# Altium PCB GameBoard_V1I1_Phase1.PcbDoc (part 3 of 18)
Units mm, origin at the board's own origin, x right, y up, seen from the top; angles counter-clockwise.
Board outline 182 x 70.2 mm, 12 copper layers (L1, L2, L3, L4, L5 (PWR), L6 (PWR), L7 (PWR), L8 (PWR), L9, L10, L11, L12), stack 2.079 mm thick; 1542 components, 1068 nets, 5447 pads, 3805 vias.
Unrouted connection lines stored in the file: 2.
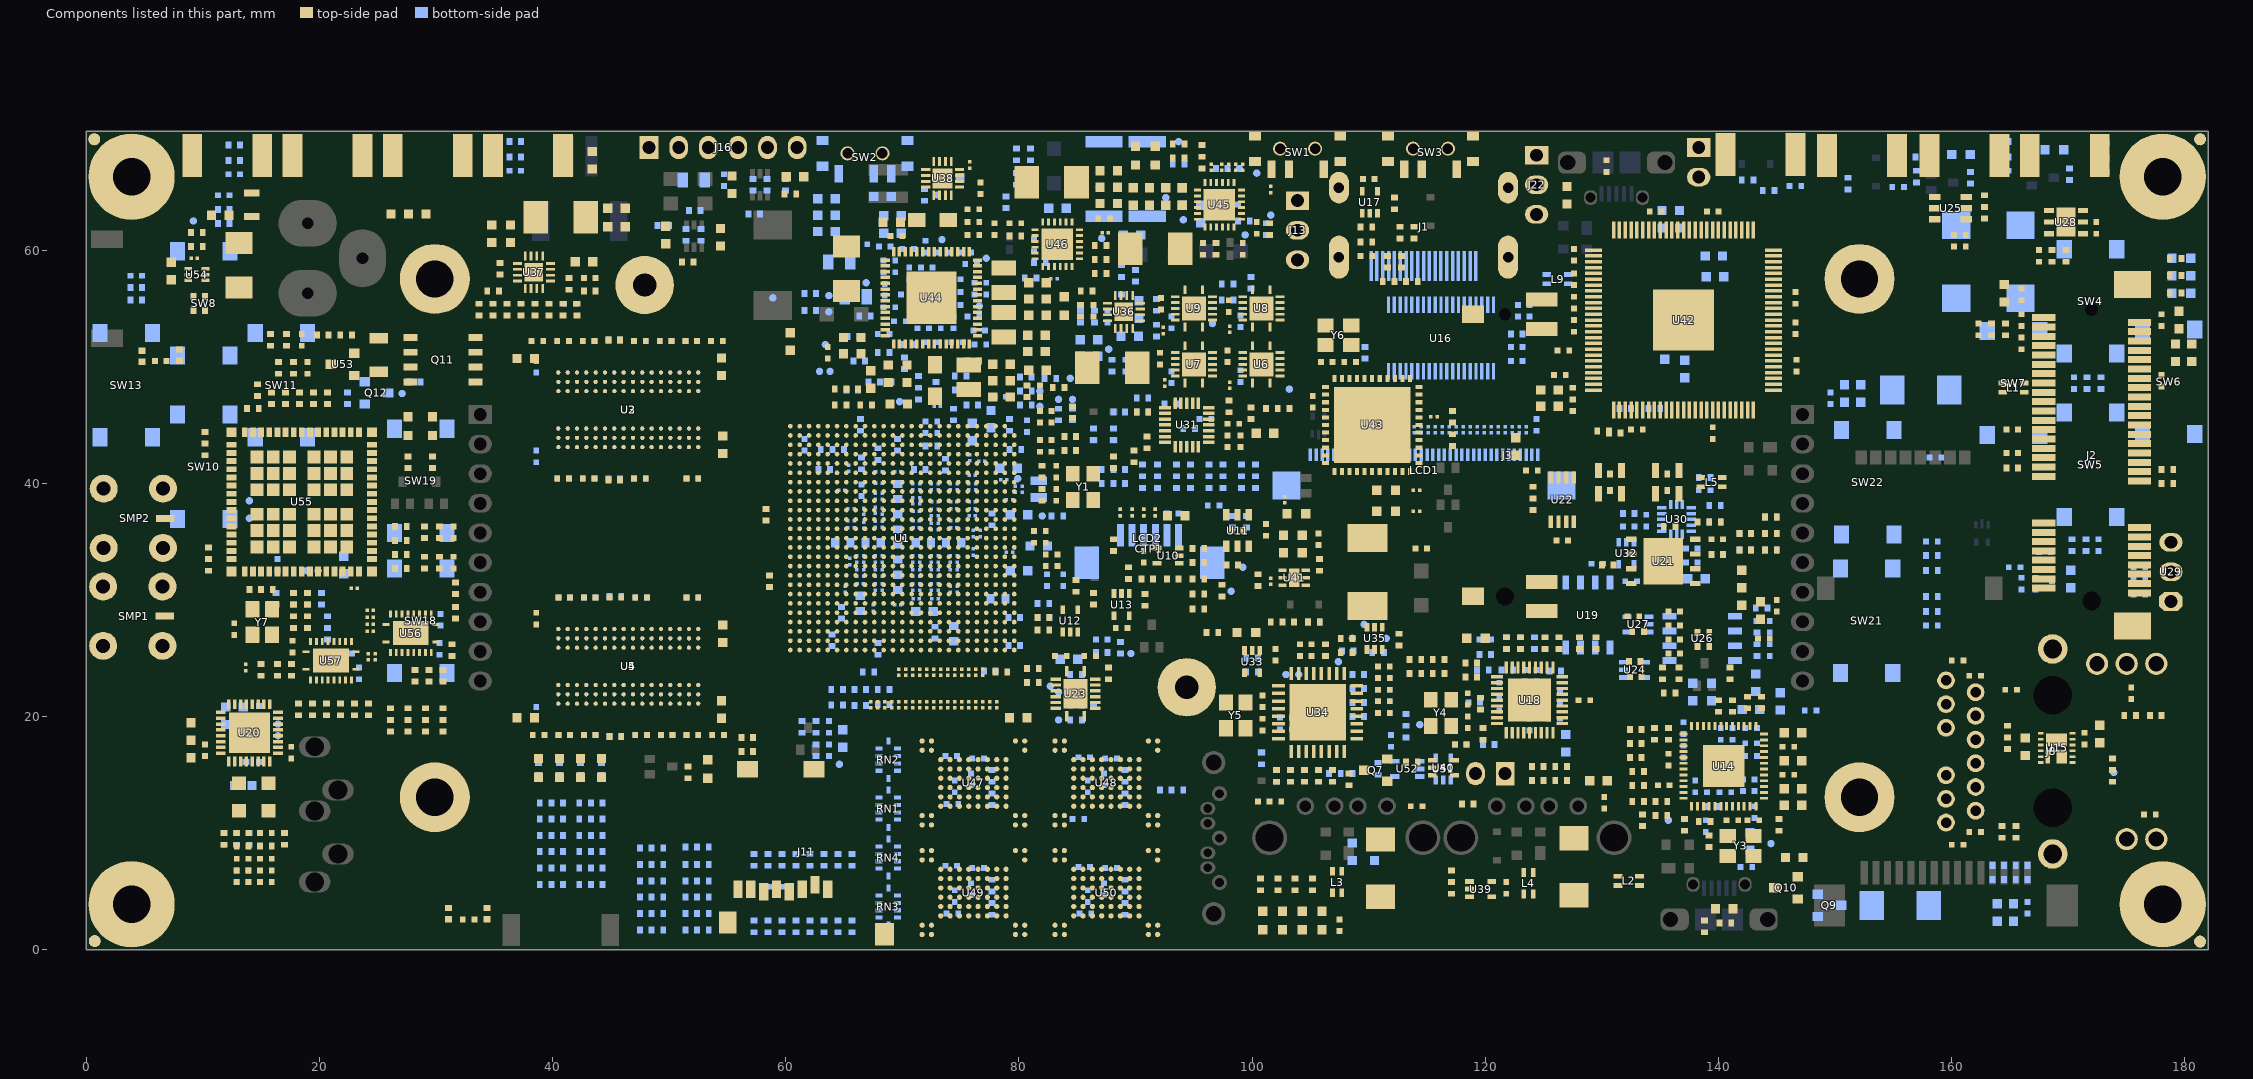
[diagram p13: the components of this part, seen from the top]

## Components (designator, comment, footprint, x,y, rotation, side; value= is the part's Value field where it differs from the comment) (continued)
R110 "0R" R0402 95.4,30.5 r180 top
R111 "22R" R0402 83.4,45.9 r90 bottom
R112 "0R" R0402 86.4,30.1 r270 top
R113 "0R" R0402 65.7,48 r0 bottom
R114 "0R" R0402 73.7,41.6 r90 bottom
R115 "0R" R0402 87.1,25.475 r0 bottom
R116 "0R" R0402 88.7,25.9 r270 bottom
R117 "0R" R0402 173.8,15.9 r270 top
R118 "0R" R0402 173.8,14.9 r270 top
R119 "0R" R0402 164.8,17.7 r90 top
R120 "220R" R0402 142.5,21.2 r90 top
R121 "220R" R0402 141.2,20.9 r90 top
R122 "0R" R0402 164.8,18.7 r270 top
R123 "22R" R0402 139.2,9.3 r270 top
R124 "22R" R0402 133.1,15.3 r0 top
R125 "12k1" R0402 145.2,10.7 r270 top
R126 "22R" R0402 135.1,12.7 r0 top
R127 "22R" R0402 135.1,11.5 r0 top
R128 "4k99" R0402 133.1,12.7 r180 top
R129 "1k" R0402 133.5,11.1 r270 top
R130 "4k99" R0402 137.1,10.7 r270 top
R131 "10k" R0402 139.4,12.3 r180 bottom
R132 "10k" R0402 132.9,16.5 r180 top
R133 "10k" R0402 140,20.9 r90 top
R134 "10k" R0402 135.7,18.5 r90 top
R135 "10k" R0402 134.5,18.5 r90 top
R136 "10k" R0402 132.9,18.9 r180 top
R137 "10k" R0402 132.9,17.7 r180 top
R138 "1k" R0402 138.8,11 r0 top
R139 "1k" R0402 133.1,14.1 r0 top
R140 "1k" R0402 143.7,21.2 r270 top
R141 "0R" R0402 122.7,52.8 r0 bottom
R142 "0R" R0402 112.7,61.5 r90 top
R143 "0R" R0402 112.8,59 r270 top
R144 "0R" R0402 111.6,59 r270 top
R145 "15k" R0402 109.8,60.7 r0 top
R146 "4k99" R0402 111.7,57.3 r180 top
R147 "4k99" R0402 113.7,57.3 r0 top
R148 "27k" R0402 113.9,61.5 r270 top
R149 "47k" R0402 109.8,62 r180 top
R150 "0R" R0402 112.2,64 r90 top
R151 "10k" R0402 176.1,30.5 r180 bottom
R152 "0R" R0402 178.5,40 r180 top
R153 "0R" R0402 178.5,41.2 r180 top
R154 "330R" R0402 179.2,56.3 r180 top
R155 "330R" R0402 179.2,57.8 r180 top
R156 "330R" R0402 179.2,59.3 r180 top
R157 "0R" R0402 124.5,14.5 r180 top
R158 "0R" R0402 135.1,40.8 r0 top
R159 "0R" R0402 136.1,40.8 r0 top
R160 "0R" R0402 125.5,14.5 r0 top
R161 "0R" R0805_SMALL 135.6,41.1 r0 top
R162 "0R" R0402 126.5,14.5 r180 top
R163 "0R" R0805_SMALL 135.6,39.1 r180 top
R164 "0R" R0402 124.5,15.7 r180 top
R165 "0R" R0402 135.1,39.4 r0 top
R166 "0R" R0402 136.1,39.4 r0 top
R167 "0R" R0402 125.5,15.7 r0 top
R168 "0R" R0402 126.5,15.7 r180 top
R169 "0R" R0402 116,23.7 r0 top
R170 "0R" R0402 115,23.7 r180 top
R171 "0R" R0402 114,23.7 r0 top
R172 "0R" R0402 116,24.9 r0 top
R173 "10k" R0402 138.8,2 r270 top
R174 "0R" R0402 115,24.9 r180 top
R175 "0R" R0402 114,24.9 r0 top
R176 "10k" R0402 140.6,2.3 r180 top
R177 "0R" R0402 131.2,40.8 r180 top
R178 "0R" R0402 130.2,40.8 r180 top
R179 "0R" R0805_SMALL 130.7,41.1 r180 top
R180 "0R" R0805_SMALL 130.7,39.1 r0 top
R181 "0R" R0402 131.2,39.4 r180 top
R182 "0R" R0402 130.2,39.4 r180 top
R183 "100k" R0402 120,25.3 r0 bottom
R184 "0R" R0402 119.8,24 r180 bottom
R185 "100k" R0402 121.9,24 r0 bottom
R186 "10k" R0402 126.3,26.3 r270 top
R187 "100k" R0402 124.2,26.3 r90 bottom
R188 "10k" R0402 125.1,26.3 r270 top
R189 "0R" R0402 121.8,26.3 r90 bottom
R190 "1k" R0402 118.8,24.6 r0 top
R191 "100k" R0402 121.8,26.3 r270 top
R192 "100k" R0402 123,26.3 r270 top
R193 "12k" R0402 119.8,18.5 r270 top
R194 "100k" R0402 118.8,23.4 r0 top
R195 "100k" R0402 126,23.9 r180 bottom
R196 "1M" R0402 119.6,21.1 r270 top
R197 "10k" R0402 129.5,26.3 r90 top
R198 "10k" R0402 128.1,26.3 r90 top
R199 "0R" R0402 175.3,20.1 r0 top
R200 "0R" R0402 177.5,20.1 r180 top
R201 "0R" R0402 13.7,16.6 r90 bottom
R202 "15k" R0402 13.423,8.904 r0 top
R203 "15k" R0402 15.423,8.904 r180 top
R204 "33R" R0402 11.823,9.504 r90 top
R205 "33R" R0402 17.023,9.504 r90 top
R206 "2k2" R0402 12.9,9.5 r270 bottom
R207 "10k" R0402 56.7,17 r180 top
R208 "0R" R0402 71.4,47.7 r90 bottom
R209 "240R" R0402 51.6,15.2 r90 top
R210 "10k" R0402 81.2,22.9 r180 top
R211 "10k" R0402 81.2,24.1 r180 top
R212 "10k" R0402 139.9,33.9 r180 top
R213 "10k" R0402 130.5,33 r180 top
R214 "10k" R0402 124.1,38.2 r270 top
R215 "10k" R0402 124.1,39.2 r90 top
R216 "0R" R0402 84.9,23.6 r180 bottom
R217 "0R" R0402 84.9,22.3 r180 bottom
R218 "0R" R0402 84.9,21 r0 bottom
R219 "0R" R0402 84.9,19.7 r180 bottom
R220 "22R" R0402 29.1,20.2 r270 top
R221 "0R" R0402 43.8,5.6 r180 bottom
R222 "0R" R0402 144.5,35.7 r0 bottom
R223 "0R" R0402 144.5,35.7 r0 top
R224 "0R" R0402 144.5,34.3 r0 bottom
R225 "0R" R0402 144.5,34.3 r0 top
R226 "100k" R0402 108.1,25.5 r0 top
R227 "100k" R0402 113.2,19.7 r270 bottom
R228 "100k" R0402 108.196,25.6 r180 bottom
R229 "0R" R0402 42.8,5.6 r0 bottom
R230 "0R" R0402 43.8,8.4 r180 bottom
R231 "3k3" R0402 57.3,63.1 r0 bottom
R232 "3k3" R0402 60,65.6 r270 bottom
R233 "3k3" R0402 60.4,64.8 r0 top
R234 "0R" R0402 57.2,65.6 r90 bottom
R235 "0R" R0402 58.4,65.6 r270 bottom
R236 "3k3" R0402 52.2,63.4 r180 bottom
R237 "3k3" R0402 51.6,59 r0 top
R238 "3k3" R0402 49.5,62.1 r180 bottom
R239 "0R" R0402 52.75,61.3 r270 bottom
R240 "0R" R0402 51.45,61.3 r90 bottom
R241 "60R4" R0402 143.3,25.7 r90 bottom
R242 "0R" R0402 132.817,24.7 r0 top
R243 "0R" R0402 162.8,63.2 r90 top
R244 "0R" R0402 143.7,29.3 r0 bottom
R245 "0R" R0402 162.8,64.2 r270 top
R246 "60R4" R0402 143.3,27.7 r90 bottom
R247 "240R" R0402 176.1,31.7 r180 bottom
R248 "10k" R0402 135.2,23.7 r270 top
R249 "0R" R0402 138.7,26 r0 top
R250 "0R" R0402 133.1,27.3 r0 top
R251 "0R" R0402 138.7,27.2 r0 top
R252 "0R" R0402 136.6,23.7 r90 top
R253 "10k" R0402 141,23.7 r90 top
R254 "10k" R0402 93,46.8 r180 bottom
R255 "0R" R0402 139.7,38.1 r0 bottom
R256 "0R" R0402 90.6,47.3 r180 bottom
R257 "0R" R0402 139.7,36.7 r0 bottom
R258 "0R" R0402 90.6,46.1 r180 top
R259 "0R" R0402 135.8,36.3 r180 top locked
R260 "0R" R0402 99.9,46 r90 top
R261 "10k" R0402 139.7,36.7 r0 top
R262 "0R" R0402 138.7,36.7 r180 top
R263 "10k" R0402 138.8,40.5 r180 bottom
R264 "10k" R0402 98,46.6 r270 top
R265 "10k" R0402 134.5,33.2 r180 bottom
R266 "10k" R0402 94.6,44.7 r180 bottom
R267 "0R" R0402 132.3,37.4 r180 bottom
R268 "0R" R0402 91,43.5 r90 top
R269 "10k" R0402 100,23.8 r0 bottom
R270 "240R" R0402 96.6,27.2 r180 top
R271 "0R" R0402 100,25 r0 bottom
R272 "24k" R0402 110.8,15.5 r90 bottom
R273 "0R" R0402 93.6,13.7 r180 bottom
R274 "1k5" R0402 108.3,14.6 r270 top
R275 "33R" R0402 105.7,14.9 r270 top
R276 "33R" R0402 106.9,14.9 r270 top
R277 "4k99" R0402 103.3,14.9 r270 top
R278 "4k99" R0402 142.3,35.7 r180 top
R279 "4k99" R0402 142.3,34.3 r180 top
R280 "0R" R0402 104.5,14.9 r270 top
R281 "0R" R0402 106.3,25.7 r90 top
R282 "0R" R0402 102.1,14.9 r270 top
R283 "4k99" R0402 102.1,14.9 r90 bottom
R284 "3k" R0402 108.1,15.1 r0 bottom
R285 "0R" R0402 107.1,15.1 r180 bottom
R286 "0R" R0402 100.8,16.4 r270 bottom
R287 "0R" R0402 103.1,28.1 r0 top
R288 "0R" R0402 102.1,28.1 r180 top
R289 "0R" R0402 110.8,25.5 r0 bottom
R290 "100k" R0402 109.1,20 r0 bottom
R291 "100k" R0402 109.1,21.2 r0 bottom
R292 "100k" R0402 109.1,22.4 r0 bottom
R293 "100k" R0402 109.1,23.6 r0 bottom
R294 "0R" R0402 88.8,58.204 r90 bottom
R295 "10k" R0402 91.8,53.1 r270 bottom
R296 "82k" R0402 86.5,54.3 r270 bottom
R297 "150k" R0402 90,57.8 r270 bottom
R298 "100k" R0402 91.8,55.3 r270 bottom
R299 "0R" R0402 89.2,50.1 r270 bottom
R300 "63k4" R0402 85.3,54.3 r90 bottom
R301 "0R" R0402 88,50.1 r270 bottom
R302 "0R" R0402 88.8,55.7 r90 bottom
R303 "0R" R0402 85.8,56.5 r0 top
R304 "100k" R0402 85.3,54.8 r270 top
R305 "0R" R0402 37.3,54.9 r270 top
R306 "10k" R0402 33.7,54.9 r270 top
R307 "390k" R0402 43.2,56.5 r0 top
R308 "150k" R0402 38.5,54.9 r90 top
R309 "100k" R0402 34.9,56.5 r180 top
R310 "47k" R0402 34.9,54.9 r90 top
R311 "86k6" R0402 41.4,57.1 r270 top
R312 "0R" R0402 36.1,54.9 r270 top
R313 "10k" R0402 35.5,58.4 r270 top
R314 "0R" R0402 39.7,54.9 r90 top
R315 "0R" R0402 40.9,54.9 r90 top
R316 "100k" R0402 42.1,54.9 r90 top
R317 "100k" R0402 71.9,64.725 r270 bottom
R318 "100k" R0402 118.5,12.5 r180 top
R319 "100k" R0402 113.7,16.1 r180 top
R320 "11k8" R0402 22.3,52.7 r0 top
R321 "1k, 1206, 0.5W" R1206 25.1,51 r90 top
R322 "0R" R0402 117.1,6.3 r90 top
R323 "10k" R0402 22.4,47.3 r270 bottom
R324 "10k5" R0402 20.3,52.7 r0 top
R325 "0R" R0402 117.1,5.3 r270 top
R326 "10k" R0402 120.3,17.6 r0 bottom
R327 "47k" R0402 105.8,33 r90 top
R328 "3.3" R0402 100.5,31.7 r90 top
R329 "0R" R0402 105.3,28.1 r180 bottom
R330 "0R" R0402 105.3,28.1 r0 top
R331 "33" R0201 113.9,44.6 r270 bottom
R332 "33" R0201 113.3,44.6 r270 bottom
R333 "33" R0201 112.7,44.6 r270 bottom
R334 "33" R0201 112.1,44.6 r270 bottom
R335 "33" R0201 111.5,44.6 r270 bottom
R336 "33" R0201 110.9,44.6 r270 bottom
R337 "33" R0201 110.3,44.6 r270 bottom
R338 "33" R0201 109.7,44.6 r270 bottom
R339 "33" R0201 118.7,44.6 r270 bottom
R340 "33" R0201 118.1,44.6 r270 bottom
R341 "33" R0201 117.5,44.6 r270 bottom
R342 "0R" R0402 130.1,44.5 r0 top
R343 "33" R0201 116.9,44.6 r270 bottom
R344 "33" R0201 116.3,44.6 r270 bottom
R345 "0R" R0402 131.1,44.3 r180 top
R346 "33" R0201 115.7,44.6 r270 bottom
R347 "33" R0201 115.1,44.6 r270 bottom
R348 "0R" R0402 134.5,46.4 r0 bottom
R349 "33" R0201 114.5,44.6 r270 bottom
R350 "0R" R0402 127.5,47.7 r270 top
R351 "0R" R0402 127.5,46.7 r90 top
R352 "33" R0201 123.5,44.6 r270 bottom
R353 "1k" R0201 102.8,38.6 r270 top
R354 "33" R0201 122.9,44.6 r270 bottom
R355 "33" R0201 122.3,44.6 r270 bottom
R356 "33" R0201 121.7,44.6 r270 bottom
R357 "33" R0201 121.1,44.6 r270 bottom
R358 "33" R0201 120.5,44.6 r270 bottom
R359 "33" R0201 119.9,44.6 r270 bottom
R360 "33" R0201 119.3,44.6 r270 bottom
R361 "33" R0201 107.3,44.335 r270 bottom
R362 "33" R0201 109.1,44.335 r270 bottom
R363 "33" R0201 108.5,44.335 r270 bottom
R364 "33" R0201 107.9,44.335 r270 bottom
R365 "47k" R0201 89.7,37.5 r90 top
R366 "1k" R0201 90.7,37.5 r90 top
R367 "1k" R0201 91.7,37.5 r90 top
R368 "10k" R0201 115.6,45.7 r0 top
R369 "33" R0201 91.7,37.5 r270 bottom
R370 "33" R0201 90.7,37.5 r270 bottom
R371 "33" R0201 89.7,37.5 r270 bottom
R372 "33" R0201 88.7,37.5 r270 bottom
R373 "100k" R0201 88.7,37.5 r270 top
R374 "1k" R0201 114.1,39.4 r180 top
R375 "1k" R0201 114.1,37.6 r180 top
R376 "10k" R0402 169.8,59.5 r270 top
R377 "10k" R0402 170.3,34.7 r270 bottom
R378 "10k" R0402 172.8,48.6 r90 bottom
R379 "10k" R0402 164.6,53.2 r90 top
R380 "33R" R0402 168.6,59.5 r90 top
R381 "33R" R0402 171.5,34.7 r90 bottom
R382 "1k5" R0402 105.2,5.6 r90 top
R383 "33R" R0402 171.6,48.6 r270 bottom
R384 "1k5" R0402 103.7,5.6 r90 top
R385 "1k5" R0402 102.2,5.6 r90 top
R386 "1k5" R0402 100.7,5.6 r90 top
R387 "1k5" R0402 38.8,15.5 r90 bottom
R388 "33R" R0402 163.4,53.2 r270 top
R389 "1k5" R0402 40.6,15.5 r90 bottom
R390 "1k5" R0402 42.4,15.5 r90 bottom
R391 "1k5" R0402 44.2,15.5 r90 bottom
R392 "10k" R0402 11.8,62.3 r180 bottom
R393 "10k" R0402 15.8,52.3 r90 top
R394 "10k" R0402 16.5,49.9 r270 top
R395 "10k" R0402 4.3,55.7 r180 bottom
R396 "10k" R0402 36.8,69.3 r180 bottom
R397 "33R" R0402 36.8,68 r0 bottom
R398 "33R" R0402 11.8,63.5 r0 bottom
R399 "10k" R0402 32.3,69.2 r180 bottom
R400 "33R" R0402 17.2,52.3 r270 top
R401 "33R" R0402 32.3,67.9 r0 bottom
R402 "33R" R0402 17.8,49.9 r90 top
R403 "33R" R0402 4.3,56.8 r0 bottom
R404 "10k" R0402 172.8,69.2 r0 bottom
R405 "10k" R0402 164.4,69.3 r0 bottom
R406 "10k" R0402 12.7,69 r180 bottom
R407 "10k" R0402 26.3,69.2 r0 bottom
R408 "33R" R0402 172.8,67.9 r180 bottom
R409 "33R" R0402 12.7,67.7 r0 bottom
R410 "240R" R0402 170.1,66.5 r270 bottom
R411 "33R" R0402 164.4,68 r180 bottom
R412 "33R" R0402 26.3,67.9 r180 bottom
R413 "240R" R0402 161.6,66.2 r270 bottom
R414 "10k" R0402 29,33.2 r270 top
R415 "10k" R0402 29,35.8 r90 top
R416 "10k" R0402 156.4,68 r0 bottom
R417 "10k" R0402 157,66.3 r270 bottom
R418 "10k" R0402 151.1,65.7 r90 bottom
R419 "33R" R0402 30.3,33.2 r90 top
R420 "33R" R0402 154.8,67.5 r90 bottom
R421 "33R" R0402 30.3,35.8 r270 top
R422 "10k" R0402 158.3,30.3 r0 bottom
R423 "10k" R0402 158.3,32.5 r0 bottom
R424 "33R" R0402 158.3,29 r180 bottom
R425 "10k" R0402 146.6,69.3 r180 bottom
R426 "100k" R0402 146.6,68 r180 bottom
R427 "33R" R0402 146.6,66.7 r0 bottom
R428 "33R" R0402 158.3,33.8 r180 bottom
R429 "0R" R0402 144.3,65.1 r180 bottom
R430 "0R" R0402 61.4,19.1 r90 bottom
R431 "0R" R0402 76.1,50.5 r180 bottom
R432 "100k" R0402 66.8,54.35 r0 bottom
R433 "100k" R0402 142.5,66 r0 bottom
R434 "100k" R0402 72.9,49.2 r270 bottom
R435 "47k" R0402 66.3,50.5 r180 bottom
R436 "47k" R0402 70.2,50.3 r90 bottom
R437 "10k" R0402 70.4,51.9 r0 bottom
R438 "10k" R0402 65.8,52.6 r0 bottom
R439 "0R" R0402 68.4,51.2 r180 bottom
R440 "47k" R0402 88.6,46.1 r0 bottom
R441 "0R" R0402 62.111,56.272 r0 bottom
R442 "0R" R0402 62.1,54.8 r0 bottom
R443 "0R" R0402 90.6,40.1 r90 bottom
R444 "0R" R0402 90.6,41.1 r270 bottom
R445 "0R" R0402 91.9,40.1 r90 bottom
R446 "0R" R0402 91.9,41.1 r270 bottom
R447 "0R" R0402 94.7,40.1 r90 bottom
R448 "0R" R0402 94.7,41.1 r270 bottom
R449 "0R" R0402 93.5,40.1 r90 bottom
R450 "0R" R0402 93.5,41.1 r270 bottom
R451 "10k" R0402 166,6 r0 bottom
R452 "10k" R0402 164,6 r180 bottom
R453 "0R" R0402 100.3,40.1 r90 bottom
R454 "0R" R0402 164.3,10.1 r270 top
R455 "0R" R0402 100.3,41.1 r270 bottom
R456 "0R" R0402 165.5,10.1 r270 top
R457 "0R" R0402 99.1,40.1 r90 bottom
R458 "10k" R0402 166,7.2 r180 bottom
R459 "10k" R0402 164,7.2 r0 bottom
R460 "0R" R0402 99.1,41.1 r270 bottom
R461 "0R" R0402 97.5,40.1 r90 bottom
R462 "0R" R0402 97.5,41.1 r270 bottom
R463 "0R" R0402 96.3,40.1 r90 bottom
R464 "0R" R0402 96.3,41.1 r270 bottom
R465 "0R" R0402 95.7,67.5 r90 top
R466 "0R" R0402 95.7,68.5 r90 top
R467 "0R" R0402 96.9,60.1 r270 top
R468 "0R" R0402 101.5,61.8 r90 top locked
R469 "0R" R0402 99.3,62.5 r180 bottom
R470 "240R" R0201 96.5,67.1 r270 top
R471 "10k" R0201 99.2,67.1 r90 top
R472 "10k" R0201 98.6,67.1 r90 top
R473 "10k" R0201 98,67.1 r90 top
R474 "10k" R0201 97.4,67.1 r90 top
R475 "0mR" R2512 91,66.1 r90 bottom locked
R476 "0mR" R2512 87.3,66.1 r90 bottom locked
R477 "5.23k" R0402 79.8,66.1 r270 bottom
R478 "10k" R0402 81,66.1 r270 bottom
R479 "0R" R0402 97.4,67 r0 bottom
R480 "0R" R0402 87,60.4 r0 top
R481 "0R" R0402 87,58 r180 top
R482 "0R" R0402 97.9,57.1 r180 bottom
R483 "10k" R0402 81,68.2 r270 bottom
R484 "30.1k" R0402 79.8,68.2 r270 bottom
R485 "NTC 10K" R0402 78.9,64.1 r90 bottom
R486 "3k" R0402 99.9,57.2 r270 bottom
R487 "0R" R0402 97.9,55.7 r0 bottom
R488 "2k2" R0402 93.7,67.9 r0 top
R489 "2k2" R0402 93.7,69.1 r0 top
R490 "2k2" R0402 93.7,67.4 r0 bottom
R491 "0R" R0402 79.7,61.2 r180 top
R492 "240R" R0201 87.4,61.5 r180 top
R493 "0R" R0402 81,57.6 r0 bottom
R494 "10k" R0201 83.01,57.525 r0 bottom
R495 "10k" R0201 91.7,67.3 r0 bottom
R496 "0R" R0402 87,59.2 r180 top
R497 "0R" R0402 77.7,14.9 r90 bottom
R498 "0R" R0402 77.7,12.9 r90 bottom
R499 "6k04" R0201 76.8,41.9 r0 bottom
R500 "0R" R0402 89.1,14.9 r90 bottom
R501 "0R" R0402 89.1,12.9 r90 bottom
R502 "0R" R0402 77.7,5.5 r90 bottom
R503 "0R" R0402 77.7,3.5 r90 bottom
R504 "0R" R0402 89.1,5.5 r90 bottom
R505 "0R" R0402 89.1,3.5 r90 bottom
R506 "470k" R0402 28.2,48.7 r180 bottom
R507 "0R" R0805_SMALL 14.2,63.9 r90 top
R508 "100k" R0402 9.7,54.8 r0 top
R509 "200K" R0402 9.5,60.3 r0 top
R510 "100k" R0402 9.7,56 r0 top
R511 "100k" R0402 9.5,61.5 r180 top
R512 "22R" R0402 27,32.7 r180 top
R513 "22R" R0402 20.7,47.3 r90 top
R514 "22R" R0402 27,33.9 r180 top
R515 "22R" R0402 27,35.1 r180 top
R516 "240R" R0402 27.6,41.8 r270 top
R517 "22R" R0402 27,36.3 r180 top
R518 "22R" R0402 19.5,47.3 r90 top
R519 "22R" R0402 18.3,47.3 r90 top
R520 "22R" R0402 17.1,47.3 r90 top
R521 "22R" R0402 15.9,47.3 r90 top
R522 "240R" R0402 29.7,41.8 r270 top
R523 "22R" R0402 14.7,48 r90 top
R524 "10k" R0402 14.3,46.4 r180 top
R525 "0R" R0402 15.5,30.9 r180 top
R526 "22R" R0402 31.4,25.7 r90 top
R527 "22R" R0402 30.6,23.5 r90 top
R528 "22R" R0402 29.4,23.5 r90 top
R529 "22R" R0402 28.2,23.5 r90 top
R530 "22R" R0402 27.6,19.2 r90 top
R531 "22R" R0402 26.1,19.2 r90 top
R532 "0R" R0402 10.5,33 r270 top
R533 "22R" R0402 24.2,20.6 r90 top
R534 "0R" R0402 10.5,34 r270 top
R535 "22R" R0402 23,20.6 r90 top
R536 "22R" R0402 21.8,20.6 r90 top
R537 "22R" R0402 20.6,20.6 r90 top
R538 "22R" R0402 19.4,20.6 r90 top
R539 "10k" R0201 24.8,25.135 r270 top
R540 "22R" R0402 18.2,20.6 r90 top
R541 "10k" R0201 24.365,27.3 r0 top
R542 "10k" R0201 24.365,27.9 r0 top
R543 "10k" R0201 24.365,28.5 r0 top
R544 "0R" R0402 10.2,43.9 r90 top
R545 "10k" R0201 24.365,29.1 r0 top
R546 "22R" R0402 17.8,30.1 r90 top
R547 "0R" R0402 10.2,42.9 r90 top
R548 "22R" R0402 19,30.1 r90 top
R549 "100k" R0402 17.8,28.1 r90 top
R550 "100k" R0402 19,28.1 r90 top
R551 "33" R0201 13.7,24.2 r90 top
R552 "1k5" R0402 17.6,24 r90 top
R553 "100k" R0402 17.8,30.1 r270 bottom
R554 "100k" R0402 19,30.1 r270 bottom
R555 "100k" R0402 16.3,30.1 r270 bottom
R556 "100k" R0402 20.2,30.1 r270 bottom
R557 "1k5" R0402 15,24 r270 top
R558 "1k5" R0402 16.4,24 r270 top
R559 "0R" R0402 42.8,8.4 r0 bottom
R560 "0R" R0402 43.8,9.8 r180 bottom
R561 "0R" R0402 42.8,9.8 r0 bottom
R562 "0R" R0402 40.4,5.6 r180 bottom
R563 "0R" R0402 39.4,5.6 r0 bottom
R564 "0R" R0402 40.4,8.4 r180 bottom
R565 "0R" R0402 39.4,8.4 r0 bottom
R566 "0R" R0402 40.4,9.8 r180 bottom
R567 "0R" R0402 39.4,9.8 r0 bottom
R568 "0R" R0402 40.4,12.6 r180 bottom
R569 "0R" R0402 39.4,12.6 r0 bottom
R570 "0R" R0402 40.4,7 r180 bottom
R571 "0R" R0402 39.4,7 r0 bottom
R572 "0R" R0402 40.4,11.2 r180 bottom
R573 "0R" R0402 39.4,11.2 r0 bottom
R576 "0R" R0402 144.5,37.1 r0 bottom
R577 "0R" R0402 144.5,37.1 r0 top
R578 "0R" R0402 58.5,2 r270 bottom
R579 "0R" R0402 59.7,2 r270 bottom
R580 "0R" R0402 43.8,12.6 r180 bottom
R581 "0R" R0402 63.5,42.9 r0 bottom
R582 "100k" R0402 108.1,26.7 r0 top
R583 "100k" R0402 113.2,18.7 r90 bottom
R584 "22R" R0402 30.6,19.2 r90 top
R585 "22R" R0402 29.1,19.2 r90 top
R586 "22R" R0402 30.6,20.2 r270 top
R587 "10k" R0201 101.6,65.2 r270 top
R588 "0R" R0402 60.9,2 r270 bottom
R589 "0R" R0402 132,46.4 r180 bottom
R590 "100k" R0201 68,41 r0 bottom
R591 "0R" R0402 48,1.7 r0 bottom
R592 "0R" R0402 49,1.7 r180 bottom
R593 "0R" R0402 48,4.5 r0 bottom
R594 "0R" R0402 49,4.5 r180 bottom
R595 "0R" R0402 48,5.9 r0 bottom
R596 "0R" R0402 49,5.9 r180 bottom
R597 "0R" R0402 48,8.7 r0 bottom
R598 "0R" R0402 49,8.7 r180 bottom
R599 "0R" R0402 48,3.1 r0 bottom
R600 "0R" R0402 49,3.1 r180 bottom
R601 "0R" R0402 48,7.3 r0 bottom
R602 "0R" R0402 49,7.3 r180 bottom
R603 "0R" R0402 52.9,1.7 r180 bottom
R604 "0R" R0402 51.9,1.7 r0 bottom
R605 "0R" R0402 52.9,4.5 r180 bottom
R606 "0R" R0402 51.9,4.5 r0 bottom
R607 "0R" R0402 52.9,5.9 r180 bottom
R608 "0R" R0402 51.9,5.9 r0 bottom
R609 "0R" R0402 52.9,8.8 r180 bottom
R610 "0R" R0402 51.9,8.8 r0 bottom
R611 "0R" R0402 52.9,3.1 r180 bottom
R612 "0R" R0402 51.9,3.1 r0 bottom
R613 "0R" R0402 52.9,7.3 r180 bottom
R614 "0R" R0402 51.9,7.3 r0 bottom
R615 "0R" R0402 42.8,12.6 r0 bottom
R616 "0R" R0402 43.8,7 r180 bottom
R617 "0R" R0402 42.8,7 r0 bottom
R618 "0R" R0402 43.8,11.2 r180 bottom
R619 "0R" R0402 42.8,11.2 r0 bottom
R620 "0R" R0402 68.6,48.7 r180 bottom
R621 "0R" R0402 67.6,48.7 r0 bottom
R622 "0R" R0402 71.4,48.7 r90 bottom
R623 "0R" R0402 20.7,27.1 r90 bottom
R624 "0R" R0402 20.7,28.1 r270 bottom
R625 "100k" R0402 65.7,48.1 r0 top
R626 "0R" R0402 64.7,48.1 r180 top
R627 "22R" R0402 27.6,20.2 r270 top
R628 "22R" R0402 26.1,20.2 r270 top
R629 "0R" R0402 63.3,2 r270 bottom
R630 "0R" R0402 64.5,2 r270 bottom
R631 "0R" R0402 62.1,2 r270 bottom
R632 "0R" R0402 65.7,2 r270 bottom
R633 "0R" R0402 62.1,7.7 r270 bottom
R634 "0R" R0402 64.5,7.7 r270 bottom
R635 "0R" R0402 59.7,7.7 r270 bottom
R636 "0R" R0402 58.5,7.7 r270 bottom
R637 "0R" R0402 57.3,2 r270 bottom
R638 "0R" R0402 65.7,7.7 r270 bottom
R639 "0R" R0402 60.9,7.7 r270 bottom
R640 "0R" R0402 57.3,7.7 r270 bottom
R641 "0R" R0402 63.3,7.7 r270 bottom
R642 "4k99" R0201 70.3,21 r270 top
R643 "4k99" R0201 73.9,23.8 r270 top
R644 "4k99" R0201 72.1,21 r270 top
R645 "4k99" R0201 73.3,23.8 r270 top
R646 "4k99" R0201 73.3,21 r270 top
R647 "4k99" R0201 72.7,21 r270 top
R648 "4k99" R0201 72.7,23.8 r270 top
R649 "4k99" R0201 71.5,23.8 r270 top
R650 "4k99" R0201 72.1,23.8 r270 top
R651 "4k99" R0201 67.9,21 r270 top
R652 "4k99" R0201 68.5,21 r270 top
R653 "4k99" R0201 69.7,21 r270 top
R654 "4k99" R0201 70.9,23.8 r270 top
R655 "4k99" R0201 69.1,21 r270 top
R656 "4k99" R0201 67.3,21 r270 top
R657 "4k99" R0201 69.7,23.8 r270 top
R658 "4k99" R0201 74.5,23.8 r270 top
R659 "4k99" R0201 75.7,23.8 r270 top
R660 "4k99" R0201 76.3,21 r270 top
R661 "4k99" R0201 75.1,23.8 r270 top
R662 "4k99" R0201 76.9,21 r270 top
R663 "4k99" R0201 75.1,21 r270 top
R664 "4k99" R0201 76.9,23.8 r270 top
R665 "4k99" R0201 73.9,21 r270 top
R666 "4k99" R0201 76.3,23.8 r270 top
R667 "4k99" R0201 70.3,23.8 r270 top
R668 "4k99" R0201 75.7,21 r270 top
R669 "4k99" R0201 71.5,21 r270 top
R670 "4k99" R0201 74.5,21 r270 top
R671 "4k99" R0201 70.9,21 r270 top
R672 "4k99" R0201 78.1,21 r270 top